# Altium PCB STB_ValidationBoard.PcbDoc (part 3 of 4) (continued)
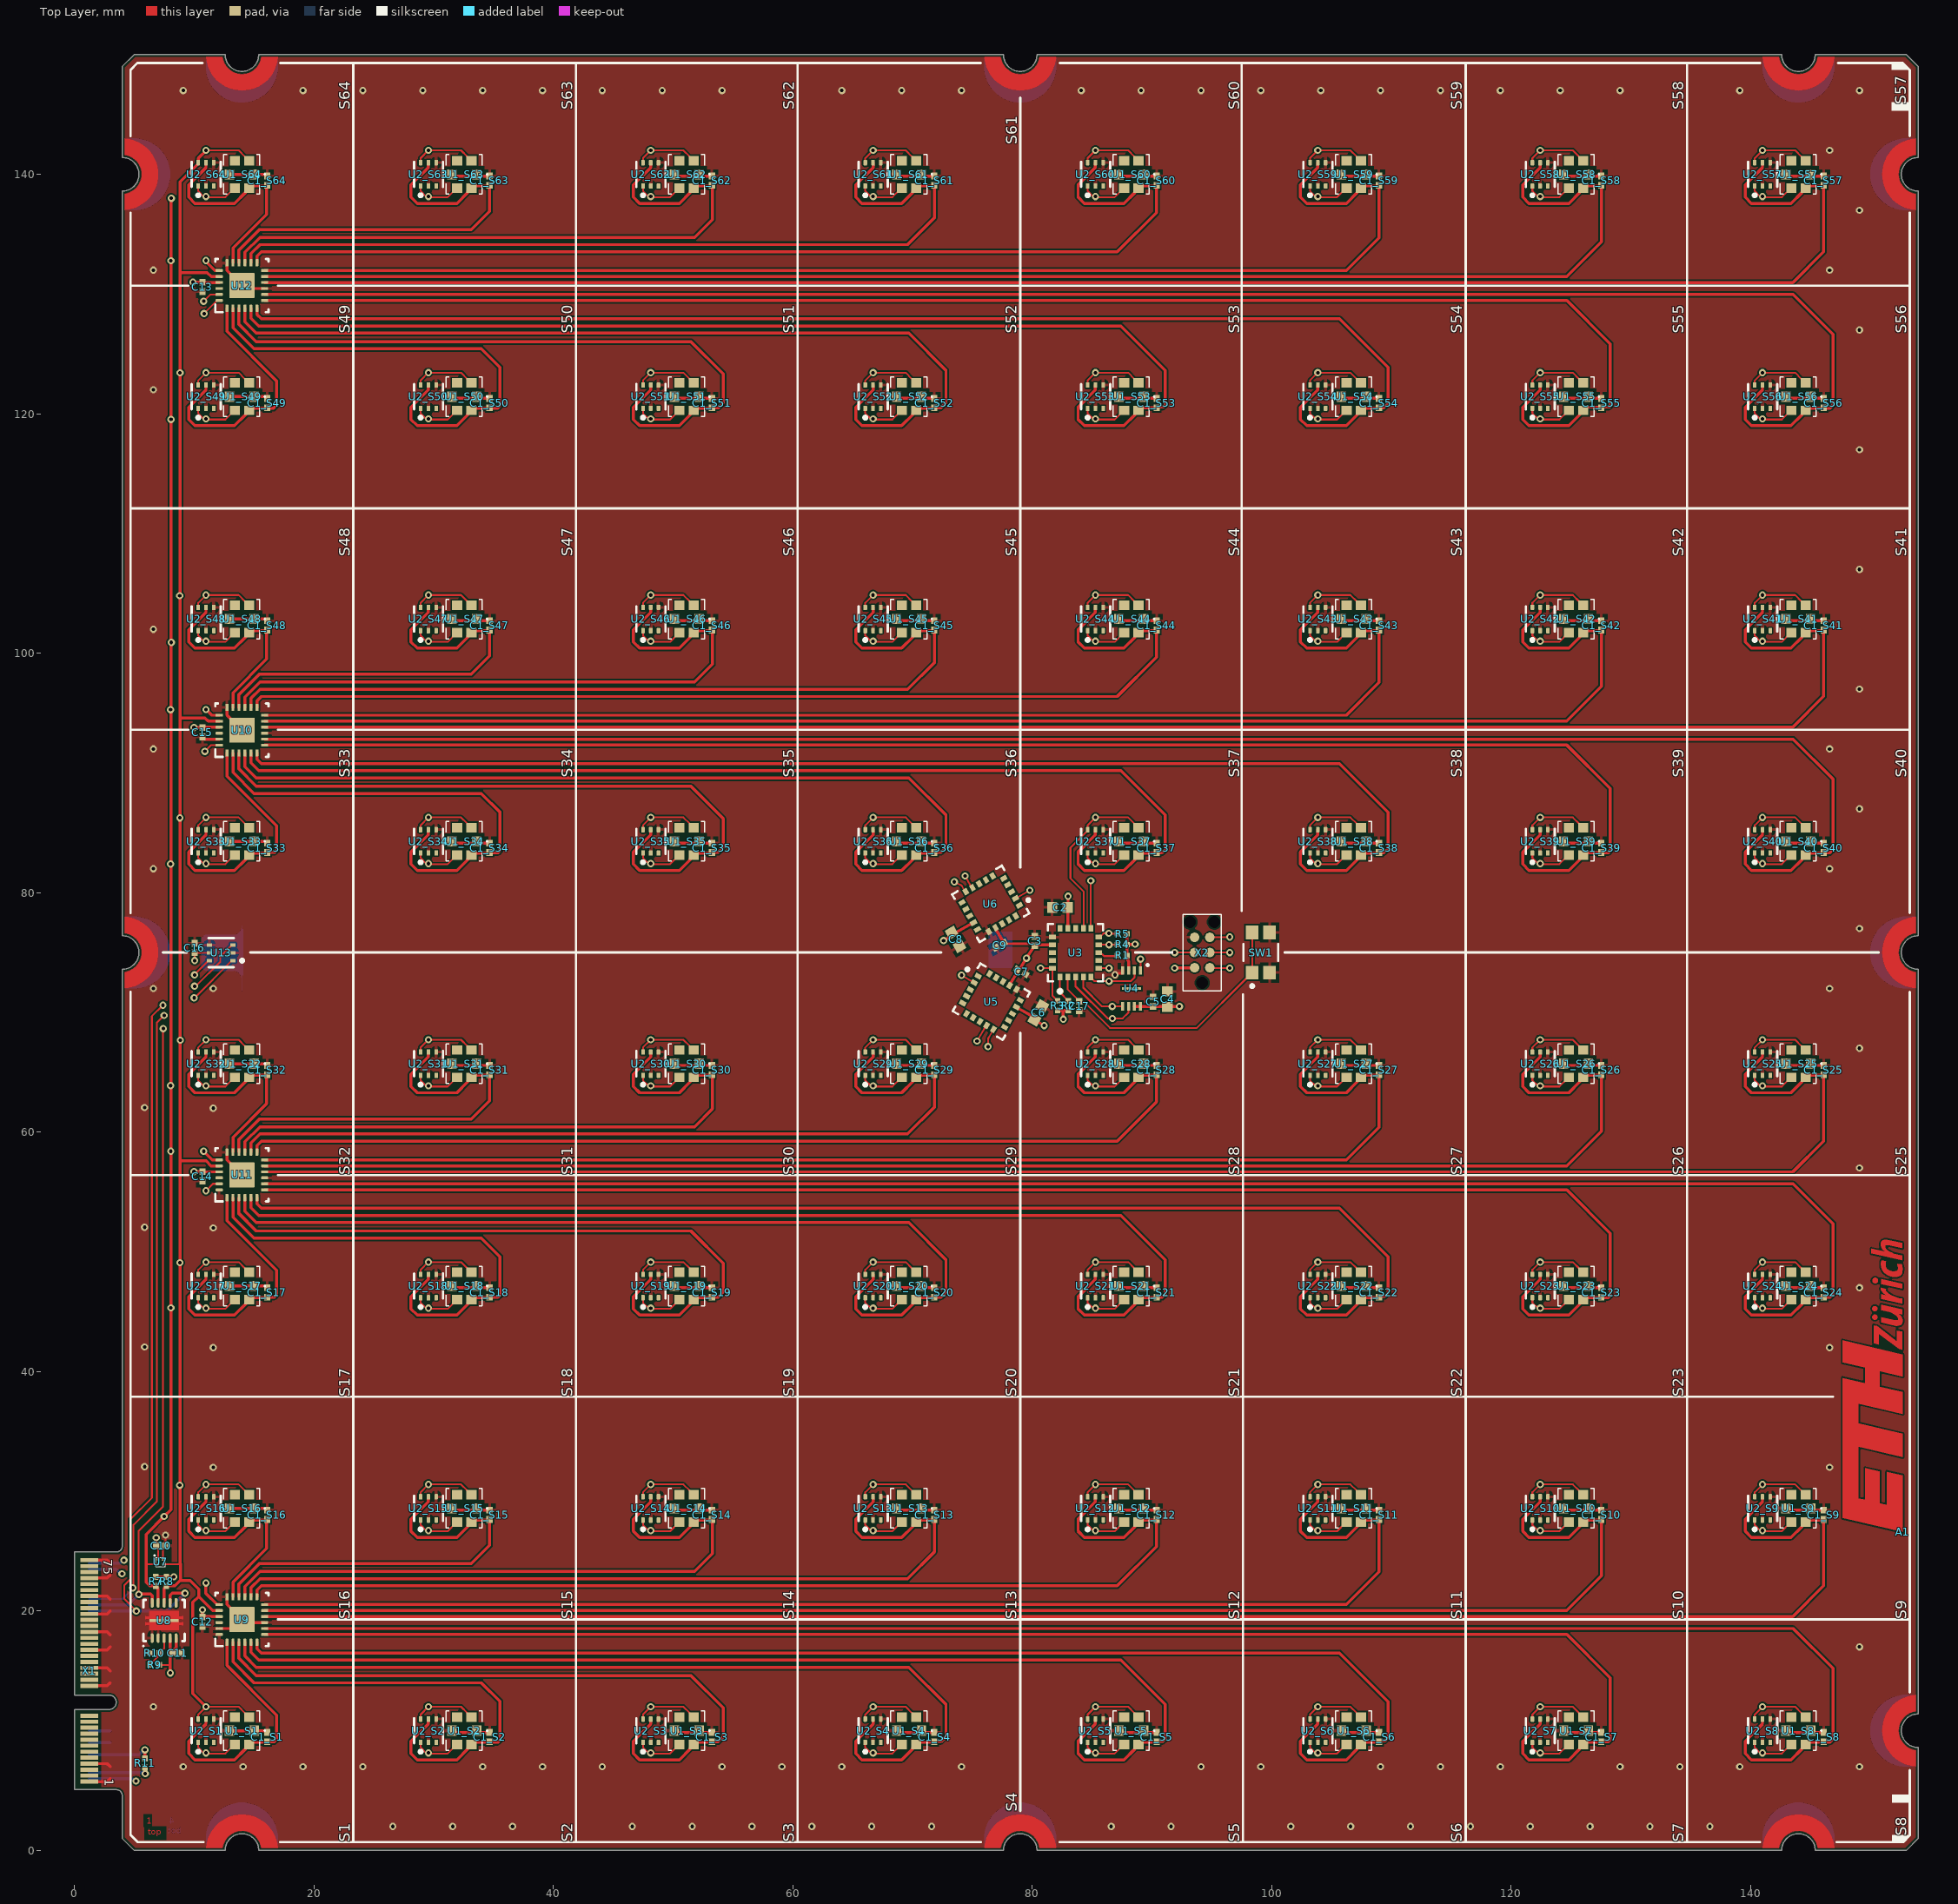
[diagram p0: Top Layer view]
## Nets (pads, with @x,y where several pads share a name; then routed paths per layer and width w, separated by ;. In a path a pad name is that pad's centre, name@x,y a point inside that pad or via, vN(x,y) a via of type N, cw(c..) or ccw(c..) an arc to the next point about the centre after c; other vN are vias at no path point) (continued)
VDD17: C1_S17.2 U1_S17.6 U2_S17.5 U11.1 | length 21.6
  Top Layer w0.25: U2_S17.5@10.996,48.113 10.996,47.696 9.548,46.249 9.548,45.237 10.073,44.712 13.386,44.712 14.3,45.625 14.3,45.728 14.57,45.998 U1_S17.6@14.6,45.998 14.771,46.169 16.06,46.169 C1_S17.2@16.11,46.219 16.7,46.219 16.893,46.413 16.893,48.449 12.75,52.593 U11.1@12.75,54.528
VDD18: C1_S18.2 U1_S18.6 U2_S18.5 U11.2 | length 40.4
  Top Layer w0.25: U11.2@13.25,54.528 13.25,52.893 15,51.143 34,51.143 35.553,49.59 35.553,46.37 35.382,46.199 C1_S18.2@34.687,46.199 ; U2_S18.5@29.567,48.113 29.567,47.696 28.12,46.249 28.12,45.237 28.645,44.712 31.958,44.712 32.871,45.625 32.871,45.728 33.141,45.998 U1_S18.6@33.171,45.998 33.343,46.169 34.631,46.169 C1_S18.2@34.681,46.219
VDD19: C1_S19.2 U1_S19.6 U2_S19.5 U11.3 | length 58
  Top Layer w0.25: U11.3@13.75,54.528 13.75,53.193 15.2,51.743 51.5,51.743 54.2,49.043 54.2,46.643 53.781,46.224 C1_S19.2@53.225,46.224 ; U2_S19.5@48.138,48.113 48.138,47.696 46.691,46.249 46.691,45.237 47.216,44.712 50.529,44.712 51.443,45.625 51.443,45.728 51.713,45.998 U1_S19.6@51.743,45.998 51.914,46.169 53.202,46.169 C1_S19.2@53.252,46.219
VDD20: C1_S20.2 U1_S20.6 U2_S20.5 U11.4 | length 76.2
  Top Layer w0.25: U11.4@14.25,54.528 14.25,53.393 15.2,52.443 69.7,52.443 72.8,49.343 72.8,46.643 72.369,46.212 C1_S20.2@71.817,46.212 ; U2_S20.5@66.71,48.113 66.71,47.696 65.263,46.249 65.263,45.237 65.787,44.712 69.101,44.712 70.014,45.625 70.014,45.728 70.284,45.998 U1_S20.6@70.314,45.998 70.486,46.169 71.774,46.169 C1_S20.2@71.817,46.212 ; C1_S20.2@71.796,46.212 C1_S20.2@71.817,46.212
VDD21: C1_S21.2 U1_S21.6 U2_S21.5 U11.5 | length 93.6
  Top Layer w0.25: U11.5@14.75,54.528 14.75,53.693 15.4,53.043 87.4,53.043 91.1,49.343 91.1,46.443 90.857,46.2 90.376,46.2 90.345,46.169 89.057,46.169 U1_S21.6@88.886,45.998 88.856,45.998 88.586,45.728 88.586,45.625 87.672,44.712 84.359,44.712 83.834,45.237 83.834,46.249 85.281,47.696 U2_S21.5@85.281,48.113
VDD22: C1_S22.2 U1_S22.6 U2_S22.5 U11.6 | length 111.7
  Top Layer w0.25: U11.6@15.25,54.528 15.255,54.523 15.255,54 15.612,53.643 105.672,53.643 109.739,49.575 109.739,46.565 109.455,46.28 109.028,46.28 C1_S22.2@108.933,46.186 ; U2_S22.5@103.853,48.113 103.853,47.696 102.405,46.249 102.405,45.237 102.93,44.712 106.243,44.712 107.157,45.625 107.157,45.728 107.427,45.998 U1_S22.6@107.457,45.998 107.628,46.169 C1_S22.2@108.917,46.169
VDD23: C1_S23.2 U1_S23.6 U2_S23.5 U11.7 | length 130.6
  Top Layer w0.25: U11.7@15.9,55.178 124.664,55.178 128.288,51.555 128.288,46.366 128.11,46.188 C1_S23.2@127.768,46.188 ; U2_S23.5@122.424,48.113 122.424,47.696 120.977,46.249 120.977,45.237 121.502,44.712 124.815,44.712 125.728,45.625 125.728,45.728 125.998,45.998 U1_S23.6@126.028,45.998 126.2,46.169 127.488,46.169 C1_S23.2@127.538,46.219
VDD24: C1_S24.2 U1_S24.6 U2_S24.5 U11.8 | length 150.1
  Top Layer w0.25: U11.8@15.9,55.678 143.564,55.678 146.9,52.343 146.9,46.459 146.639,46.198 C1_S24.2@146.139,46.198 ; U2_S24.5@140.995,48.113 140.995,47.696 139.548,46.249 139.548,45.237 140.073,44.712 143.386,44.712 144.3,45.625 144.3,45.728 144.57,45.998 U1_S24.6@144.6,45.998 144.771,46.169 146.059,46.169 C1_S24.2@146.109,46.219
VDD25: C1_S25.2 U1_S25.6 U2_S25.5 U11.10 | length 147.8
  Top Layer w0.25: U11.10@15.9,56.678 143.536,56.678 146.109,59.252 C1_S25.2@146.109,64.791 146.059,64.741 144.771,64.741 U1_S25.6@144.6,64.569 144.57,64.569 144.3,64.299 144.3,64.197 143.386,63.283 140.073,63.283 139.548,63.808 139.548,64.821 140.995,66.268 U2_S25.5@140.995,66.685
VDD26: C1_S26.2 U1_S26.6 U2_S26.5 U11.11 | length 128.5
  Top Layer w0.25: U11.11@15.9,57.178 124.636,57.178 127.538,60.081 C1_S26.2@127.538,64.791 127.488,64.741 126.2,64.741 U1_S26.6@126.028,64.569 125.998,64.569 125.728,64.299 125.728,64.197 124.815,63.283 121.502,63.283 120.977,63.808 120.977,64.821 122.424,66.268 U2_S26.5@122.424,66.685
VDD27: C1_S27.2 U1_S27.6 U2_S27.5 U11.12 | length 109.5
  Top Layer w0.25: U11.12@15.9,57.678 106.236,57.678 108.967,60.409 C1_S27.2@108.967,64.791 108.917,64.741 107.628,64.741 U1_S27.6@107.457,64.569 107.427,64.569 107.157,64.299 107.157,64.197 106.243,63.283 102.93,63.283 102.405,63.808 102.405,64.821 103.853,66.268 U2_S27.5@103.853,66.685
VDD28: C1_S28.2 U1_S28.6 U2_S28.5 U11.13 | length 90.4
  Top Layer w0.25: U11.13@15.25,58.328 15.25,58.875 15.617,59.243 87.1,59.243 90.38,62.523 C1_S28.2@90.38,64.776 ; U2_S28.5@85.281,66.685 85.281,66.268 83.834,64.821 83.834,63.808 84.359,63.283 87.672,63.283 88.586,64.197 88.586,64.299 88.856,64.569 U1_S28.6@88.886,64.569 89.057,64.741 90.345,64.741 C1_S28.2@90.395,64.791
VDD29: C1_S29.2 U1_S29.6 U2_S29.5 U11.14 | length 72.7
  Top Layer w0.25: U11.14@14.75,58.328 14.75,59.093 15.5,59.843 69.6,59.843 71.824,62.067 C1_S29.2@71.824,64.791 71.774,64.741 70.486,64.741 U1_S29.6@70.314,64.569 70.284,64.569 70.014,64.299 70.014,64.197 69.101,63.283 65.787,63.283 65.263,63.808 65.263,64.821 66.71,66.268 U2_S29.5@66.71,66.685
VDD30: C1_S30.2 U1_S30.6 U2_S30.5 U11.15 | length 54.8
  Top Layer w0.25: U11.15@14.25,58.328 14.25,59.193 15.5,60.443 51.8,60.443 53.3,61.943 C1_S30.2@53.3,64.743 ; U2_S30.5@48.138,66.685 48.138,66.268 46.691,64.821 46.691,63.808 47.216,63.283 50.529,63.283 51.443,64.197 51.443,64.299 51.713,64.569 U1_S30.6@51.743,64.569 51.914,64.741 53.202,64.741 C1_S30.2@53.252,64.791
VDD31: C1_S31.2 U1_S31.6 U2_S31.5 U11.16 | length 36.4
  Top Layer w0.25: U11.16@13.75,58.328 13.75,59.393 15.456,61.099 33.156,61.099 34.681,62.624 C1_S31.2@34.681,64.791 34.631,64.741 33.343,64.741 U1_S31.6@33.171,64.569 33.141,64.569 32.871,64.299 32.871,64.197 31.958,63.283 28.645,63.283 28.12,63.808 28.12,64.821 29.567,66.268 U2_S31.5@29.567,66.685
VDD32: C1_S32.2 U1_S32.6 U2_S32.5 U11.17 | length 18.5
  Top Layer w0.25: U2_S32.5@10.996,66.685 10.996,66.268 9.548,64.821 9.548,63.808 10.073,63.283 13.386,63.283 14.3,64.197 14.3,64.299 14.57,64.569 U1_S32.6@14.6,64.569 14.771,64.741 16.06,64.741 C1_S32.2@16.11,64.791 ; U11.17@13.25,58.328 13.25,59.561 16.069,62.38 C1_S32.2@16.069,64.75
VDD33: C1_S33.2 U1_S33.6 U2_S33.5 U10.1 | length 21.7
  Top Layer w0.25: U2_S33.5@10.996,85.256 10.996,84.839 9.548,83.392 9.548,82.379 10.073,81.855 13.386,81.855 14.3,82.768 14.3,82.871 14.57,83.141 U1_S33.6@14.6,83.141 14.771,83.312 16.06,83.312 C1_S33.2@16.105,83.357 ; U10.1@12.75,91.671 12.75,89.736 16.893,85.592 16.893,83.556 16.695,83.357 C1_S33.2@16.105,83.357 ; C1_S33.2@16.075,83.357 C1_S33.2@16.105,83.357
VDD34: C1_S34.2 U1_S34.6 U2_S34.5 U10.2 | length 40.2
  Top Layer w0.25: U10.2@13.25,91.671 13.25,90.036 15,88.286 34,88.286 35.553,86.732 35.553,83.513 35.389,83.348 C1_S34.2@34.808,83.348 ; U2_S34.5@29.567,85.256 29.567,84.839 28.12,83.392 28.12,82.379 28.645,81.855 31.958,81.855 32.871,82.768 32.871,82.871 33.141,83.141 U1_S34.6@33.171,83.141 33.343,83.312 C1_S34.2@34.631,83.312
VDD35: C1_S35.2 U1_S35.6 U2_S35.5 U10.3 | length 58
  Top Layer w0.25: U10.3@13.75,91.671 13.75,90.336 15.2,88.886 51.5,88.886 54.2,86.186 54.2,83.786 53.778,83.363 C1_S35.2@53.215,83.363 ; U2_S35.5@48.138,85.256 48.138,84.839 46.691,83.392 46.691,82.379 47.216,81.855 50.529,81.855 51.443,82.768 51.443,82.871 51.713,83.141 U1_S35.6@51.743,83.141 51.914,83.312 53.202,83.312 C1_S35.2@53.252,83.362
VDD36: C1_S36.2 U1_S36.6 U2_S36.5 U10.4 | length 76.2
  Top Layer w0.25: U10.4@14.25,91.671 14.25,90.536 15.2,89.586 69.7,89.586 72.8,86.486 72.8,83.786 72.376,83.362 C1_S36.2@71.824,83.362 ; U2_S36.5@66.71,85.256 66.71,84.839 65.263,83.392 65.263,82.379 65.787,81.855 69.101,81.855 70.014,82.768 70.014,82.871 70.284,83.141 U1_S36.6@70.314,83.141 70.486,83.312 71.774,83.312 C1_S36.2@71.824,83.362 ; C1_S36.2@71.741,83.362 C1_S36.2@71.824,83.362
VDD37: C1_S37.2 U1_S37.6 U2_S37.5 U10.5 | length 93.4
  Top Layer w0.25: U10.5@14.75,91.671 14.75,90.836 15.4,90.186 87.4,90.186 91.1,86.486 91.1,83.586 90.84,83.326 C1_S37.2@90.586,83.326 ; U2_S37.5@85.281,85.256 85.281,84.839 83.834,83.392 83.834,82.379 84.359,81.855 87.672,81.855 88.586,82.768 88.586,82.871 88.856,83.141 U1_S37.6@88.886,83.141 89.057,83.312 90.345,83.312 C1_S37.2@90.395,83.362
VDD38: C1_S38.2 U1_S38.6 U2_S38.5 U10.6 | length 111.5
  Top Layer w0.25: U10.6@15.25,91.671 15.255,91.666 15.255,91.143 15.612,90.786 105.672,90.786 109.739,86.718 109.739,83.707 109.357,83.326 C1_S38.2@109.162,83.326 ; U2_S38.5@103.853,85.256 103.853,84.839 102.405,83.392 102.405,82.379 102.93,81.855 106.243,81.855 107.157,82.768 107.157,82.871 107.427,83.141 U1_S38.6@107.457,83.141 107.628,83.312 108.917,83.312 C1_S38.2@108.967,83.362
VDD39: C1_S39.2 U1_S39.6 U2_S39.5 U10.7 | length 130.8
  Top Layer w0.25: U10.7@15.9,92.321 124.664,92.321 128.288,88.697 128.288,83.508 128.124,83.345 126.232,83.345 U1_S39.6@126.028,83.141 125.998,83.141 125.728,82.871 125.728,82.768 124.815,81.855 121.502,81.855 120.977,82.379 120.977,83.392 122.424,84.839 U2_S39.5@122.424,85.256
VDD40: C1_S40.2 U1_S40.6 U2_S40.5 U10.8 | length 149.9
  Top Layer w0.25: U10.8@15.9,92.821 143.564,92.821 146.9,89.486 146.9,83.602 146.621,83.322 C1_S40.2@146.271,83.322 ; U2_S40.5@140.995,85.256 140.995,84.839 139.548,83.392 139.548,82.379 140.073,81.855 143.386,81.855 144.3,82.768 144.3,82.871 144.57,83.141 U1_S40.6@144.6,83.141 144.771,83.312 146.059,83.312 C1_S40.2@146.109,83.362
VDD41: C1_S41.2 U1_S41.6 U2_S41.5 U10.10 | length 147.8
  Top Layer w0.25: U10.10@15.9,93.821 143.536,93.821 146.109,96.395 C1_S41.2@146.109,101.933 146.059,101.883 144.771,101.883 U1_S41.6@144.6,101.712 144.57,101.712 144.3,101.442 144.3,101.34 143.386,100.426 140.073,100.426 139.548,100.951 139.548,101.963 140.995,103.411 U2_S41.5@140.995,103.828
VDD42: C1_S42.2 U1_S42.6 U2_S42.5 U10.11 | length 128.5
  Top Layer w0.25: U10.11@15.9,94.321 124.636,94.321 127.538,97.224 C1_S42.2@127.538,101.933 127.488,101.883 126.2,101.883 U1_S42.6@126.028,101.712 125.998,101.712 125.728,101.442 125.728,101.34 124.815,100.426 121.502,100.426 120.977,100.951 120.977,101.963 122.424,103.411 U2_S42.5@122.424,103.828
VDD43: C1_S43.2 U1_S43.6 U2_S43.5 U10.12 | length 109.5
  Top Layer w0.25: U10.12@15.9,94.821 106.236,94.821 108.967,97.552 C1_S43.2@108.967,101.933 108.917,101.883 107.628,101.883 U1_S43.6@107.457,101.712 107.427,101.712 107.157,101.442 107.157,101.34 106.243,100.426 102.93,100.426 102.405,100.951 102.405,101.963 103.853,103.411 U2_S43.5@103.853,103.828
VDD44: C1_S44.2 U1_S44.6 U2_S44.5 U10.13 | length 90.4
  Top Layer w0.25: U10.13@15.25,95.471 15.25,96.018 15.617,96.386 87.1,96.386 90.38,99.666 C1_S44.2@90.38,101.919 ; U2_S44.5@85.281,103.828 85.281,103.411 83.834,101.963 83.834,100.951 84.359,100.426 87.672,100.426 88.586,101.34 88.586,101.442 88.856,101.712 U1_S44.6@88.886,101.712 89.057,101.883 90.345,101.883 C1_S44.2@90.395,101.933
VDD45: C1_S45.2 U1_S45.6 U2_S45.5 U10.14 | length 72.7
  Top Layer w0.25: U10.14@14.75,95.471 14.75,96.236 15.5,96.986 69.6,96.986 71.824,99.209 C1_S45.2@71.824,101.933 71.774,101.883 70.486,101.883 U1_S45.6@70.314,101.712 70.284,101.712 70.014,101.442 70.014,101.34 69.101,100.426 65.787,100.426 65.263,100.951 65.263,101.963 66.71,103.411 U2_S45.5@66.71,103.828
VDD46: C1_S46.2 U1_S46.6 U2_S46.5 U10.15 | length 54.8
  Top Layer w0.25: U10.15@14.25,95.471 14.25,96.336 15.5,97.586 51.8,97.586 53.3,99.086 C1_S46.2@53.3,101.886 ; U2_S46.5@48.138,103.828 48.138,103.411 46.691,101.963 46.691,100.951 47.216,100.426 50.529,100.426 51.443,101.34 51.443,101.442 51.713,101.712 U1_S46.6@51.743,101.712 51.914,101.883 53.202,101.883 C1_S46.2@53.252,101.933
VDD47: C1_S47.2 U1_S47.6 U2_S47.5 U10.16 | length 36.4
  Top Layer w0.25: U10.16@13.75,95.471 13.75,96.536 15.456,98.241 33.156,98.241 34.681,99.767 C1_S47.2@34.681,101.933 34.631,101.883 33.343,101.883 U1_S47.6@33.171,101.712 33.141,101.712 32.871,101.442 32.871,101.34 31.958,100.426 28.645,100.426 28.12,100.951 28.12,101.963 29.567,103.411 U2_S47.5@29.567,103.828
VDD48: C1_S48.2 U1_S48.6 U2_S48.5 U10.17 | length 18.5
  Top Layer w0.25: U2_S48.5@10.996,103.828 10.996,103.411 9.548,101.963 9.548,100.951 10.073,100.426 13.386,100.426 14.3,101.34 14.3,101.442 14.57,101.712 U1_S48.6@14.6,101.712 14.771,101.883 16.06,101.883 C1_S48.2@16.11,101.933 ; U10.17@13.25,95.471 13.25,96.704 16.069,99.522 C1_S48.2@16.069,101.892
VDD49: C1_S49.2 U1_S49.6 U2_S49.5 U12.1 | length 21.5
  Top Layer w0.25: U2_S49.5@10.996,122.399 10.996,121.982 9.548,120.535 9.548,119.522 10.073,118.997 13.386,118.997 14.3,119.911 14.3,120.013 14.57,120.283 U1_S49.6@14.6,120.283 14.771,120.455 16.06,120.455 C1_S49.2@16.11,120.505 ; U12.1@12.75,128.814 12.75,126.878 16.893,122.735 16.893,120.699 16.649,120.454 C1_S49.2@16.273,120.454
VDD50: C1_S50.2 U1_S50.6 U2_S50.5 U12.2 | length 40.3
  Top Layer w0.25: U12.2@13.25,128.814 13.25,127.178 15,125.428 34,125.428 35.553,123.875 35.553,120.656 35.372,120.475 C1_S50.2@34.822,120.475 ; U2_S50.5@29.567,122.399 29.567,121.982 28.12,120.535 28.12,119.522 28.645,118.997 31.958,118.997 32.871,119.911 32.871,120.013 33.141,120.283 U1_S50.6@33.171,120.283 33.343,120.455 34.631,120.455 C1_S50.2@34.681,120.505
VDD51: C1_S51.2 U1_S51.6 U2_S51.5 U12.3 | length 58
  Top Layer w0.25: U12.3@13.75,128.814 13.75,127.478 15.2,126.028 51.5,126.028 54.2,123.328 54.2,120.928 53.755,120.483 C1_S51.2@53.275,120.483 ; U2_S51.5@48.138,122.399 48.138,121.982 46.691,120.535 46.691,119.522 47.216,118.997 50.529,118.997 51.443,119.911 51.443,120.013 51.713,120.283 U1_S51.6@51.743,120.283 51.914,120.455 53.202,120.455 C1_S51.2@53.252,120.505
VDD52: C1_S52.2 U1_S52.6 U2_S52.5 U12.4 | length 75.9
  Top Layer w0.25: U12.4@14.25,128.814 14.25,127.678 15.2,126.728 69.7,126.728 72.8,123.628 72.8,120.928 72.354,120.483 C1_S52.2@72.038,120.483 ; U2_S52.5@66.71,122.399 66.71,121.982 65.263,120.535 65.263,119.522 65.787,118.997 69.101,118.997 70.014,119.911 70.014,120.013 70.284,120.283 U1_S52.6@70.314,120.283 70.486,120.455 71.774,120.455 C1_S52.2@71.824,120.505
VDD53: C1_S53.2 U1_S53.6 U2_S53.5 U12.5 | length 93.6
  Top Layer w0.25: U12.5@14.75,128.814 14.75,127.978 15.4,127.328 87.4,127.328 91.1,123.628 91.1,120.728 90.925,120.553 C1_S53.2@90.395,120.553 ; U2_S53.5@85.281,122.399 85.281,121.982 83.834,120.535 83.834,119.522 84.359,118.997 87.672,118.997 88.586,119.911 88.586,120.013 88.856,120.283 U1_S53.6@88.886,120.283 89.107,120.505 C1_S53.2@90.395,120.505
VDD54: C1_S54.2 U1_S54.6 U2_S54.5 U12.6 | length 111.5
  Top Layer w0.25: U12.6@15.25,128.814 15.255,128.809 15.255,128.286 15.612,127.928 105.672,127.928 109.739,123.861 109.739,120.85 109.376,120.487 C1_S54.2@109.204,120.487 ; U2_S54.5@103.853,122.399 103.853,121.982 102.405,120.535 102.405,119.522 102.93,118.997 106.243,118.997 107.157,119.911 107.157,120.013 107.427,120.283 U1_S54.6@107.457,120.283 107.628,120.455 108.917,120.455 C1_S54.2@108.967,120.505
VDD55: C1_S55.2 U1_S55.6 U2_S55.5 U12.7 | length 130.8
  Top Layer w0.25: U12.7@15.9,129.464 124.664,129.464 128.288,125.84 128.288,120.651 128.19,120.553 126.298,120.553 U1_S55.6@126.028,120.283 125.998,120.283 125.728,120.013 125.728,119.911 124.815,118.997 121.502,118.997 120.977,119.522 120.977,120.535 122.424,121.982 U2_S55.5@122.424,122.399
VDD56: C1_S56.2 U1_S56.6 U2_S56.5 U12.8 | length 150.1
  Top Layer w0.25: U12.8@15.9,129.964 143.564,129.964 146.9,126.628 146.9,120.744 146.632,120.476 146.138,120.476 C1_S56.2@146.109,120.505 146.059,120.455 144.771,120.455 U1_S56.6@144.6,120.283 144.57,120.283 144.3,120.013 144.3,119.911 143.386,118.997 140.073,118.997 139.548,119.522 139.548,120.535 140.995,121.982 U2_S56.5@140.995,122.399
VDD57: C1_S57.2 U1_S57.6 U2_S57.5 U12.10 | length 147.8
  Top Layer w0.25: U12.10@15.9,130.964 143.536,130.964 146.109,133.538 C1_S57.2@146.109,139.076 146.059,139.026 144.771,139.026 U1_S57.6@144.6,138.855 144.57,138.855 144.3,138.585 144.3,138.482 143.386,137.569 140.073,137.569 139.548,138.094 139.548,139.106 140.995,140.553 U2_S57.5@140.995,140.97
VDD58: C1_S58.2 U1_S58.6 U2_S58.5 U12.11 | length 128.5
  Top Layer w0.25: U12.11@15.9,131.464 124.636,131.464 127.538,134.366 C1_S58.2@127.538,139.076 127.488,139.026 126.2,139.026 U1_S58.6@126.028,138.855 125.998,138.855 125.728,138.585 125.728,138.482 124.815,137.569 121.502,137.569 120.977,138.094 120.977,139.106 122.424,140.553 U2_S58.5@122.424,140.97
VDD59: C1_S59.2 U1_S59.6 U2_S59.5 U12.12 | length 109.5
  Top Layer w0.25: U12.12@15.9,131.964 106.236,131.964 108.967,134.695 C1_S59.2@108.967,139.076 108.917,139.026 107.628,139.026 U1_S59.6@107.457,138.855 107.427,138.855 107.157,138.585 107.157,138.482 106.243,137.569 102.93,137.569 102.405,138.094 102.405,139.106 103.853,140.553 U2_S59.5@103.853,140.97
VDD60: C1_S60.2 U1_S60.6 U2_S60.5 U12.13 | length 90.4
  Top Layer w0.25: U12.13@15.25,132.614 15.25,133.161 15.617,133.528 87.1,133.528 90.38,136.809 C1_S60.2@90.38,139.062 ; U2_S60.5@85.281,140.97 85.281,140.553 83.834,139.106 83.834,138.094 84.359,137.569 87.672,137.569 88.586,138.482 88.586,138.585 88.856,138.855 U1_S60.6@88.886,138.855 89.057,139.026 90.345,139.026 C1_S60.2@90.395,139.076
VDD61: C1_S61.2 U1_S61.6 U2_S61.5 U12.14 | length 72.7
  Top Layer w0.25: U12.14@14.75,132.614 14.75,133.378 15.5,134.128 69.6,134.128 71.824,136.352 C1_S61.2@71.824,139.076 71.774,139.026 70.486,139.026 U1_S61.6@70.314,138.855 70.284,138.855 70.014,138.585 70.014,138.482 69.101,137.569 65.787,137.569 65.263,138.094 65.263,139.106 66.71,140.553 U2_S61.5@66.71,140.97
VDD62: C1_S62.2 U1_S62.6 U2_S62.5 U12.15 | length 54.8
  Top Layer w0.25: U12.15@14.25,132.614 14.25,133.478 15.5,134.728 51.8,134.728 53.3,136.228 C1_S62.2@53.3,139.029 ; U2_S62.5@48.138,140.97 48.138,140.553 46.691,139.106 46.691,138.094 47.216,137.569 50.529,137.569 51.443,138.482 51.443,138.585 51.713,138.855 U1_S62.6@51.743,138.855 51.914,139.026 53.202,139.026 C1_S62.2@53.252,139.076
VDD63: C1_S63.2 U1_S63.6 U2_S63.5 U12.16 | length 36.4
  Top Layer w0.25: U12.16@13.75,132.614 13.75,133.678 15.456,135.384 33.156,135.384 34.681,136.909 C1_S63.2@34.681,139.076 34.631,139.026 33.343,139.026 U1_S63.6@33.171,138.855 33.141,138.855 32.871,138.585 32.871,138.482 31.958,137.569 28.645,137.569 28.12,138.094 28.12,139.106 29.567,140.553 U2_S63.5@29.567,140.97
VDD64: C1_S64.2 U1_S64.6 U2_S64.5 U12.17 | length 18.5
  Top Layer w0.25: U2_S64.5@10.996,140.97 10.996,140.553 9.548,139.106 9.548,138.094 10.073,137.569 13.386,137.569 14.3,138.482 14.3,138.585 14.57,138.855 U1_S64.6@14.6,138.855 14.771,139.026 16.06,139.026 C1_S64.2@16.11,139.076 ; U12.17@13.25,132.614 13.25,133.847 16.069,136.665 C1_S64.2@16.069,139.035
pads on no net: U1_S1.3 U1_S2.3 U1_S3.3 U1_S4.3 U1_S5.3 U1_S6.3 U1_S7.3 U1_S8.3 U1_S9.3 U1_S10.3 U1_S11.3 U1_S12.3 U1_S13.3 U1_S14.3 U1_S15.3 U1_S16.3 U1_S17.3 U1_S18.3 U1_S19.3 U1_S20.3 U1_S21.3 U1_S22.3 U1_S23.3 U1_S24.3 U1_S25.3 U1_S26.3 U1_S27.3 U1_S28.3 U1_S29.3 U1_S30.3 U1_S31.3 U1_S32.3 U1_S33.3 U1_S34.3 U1_S35.3 U1_S36.3 U1_S37.3 U1_S38.3 U1_S39.3 U1_S40.3 U1_S41.3 U1_S42.3 U1_S43.3 U1_S44.3 U1_S45.3 U1_S46.3 U1_S47.3 U1_S48.3 U1_S49.3 U1_S50.3 U1_S51.3 U1_S52.3 U1_S53.3 U1_S54.3 U1_S55.3 U1_S56.3 U1_S57.3 U1_S58.3 U1_S59.3 U1_S60.3 U1_S61.3 U1_S62.3 U1_S63.3 U1_S64.3 U2_S1.3 U2_S2.3 U2_S3.3 U2_S4.3 U2_S5.3 U2_S6.3 U2_S7.3 U2_S8.3 U2_S9.3 U2_S10.3 U2_S11.3 U2_S12.3 U2_S13.3 U2_S14.3 U2_S15.3 U2_S16.3 U2_S17.3 U2_S18.3 U2_S19.3 U2_S20.3 U2_S21.3 U2_S22.3 U2_S23.3 U2_S24.3 U2_S25.3 U2_S26.3 U2_S27.3 U2_S28.3 U2_S29.3 U2_S30.3 U2_S31.3 U2_S32.3 U2_S33.3 U2_S34.3 U2_S35.3 U2_S36.3 U2_S37.3 U2_S38.3 U2_S39.3 U2_S40.3 U2_S41.3 U2_S42.3 U2_S43.3 U2_S44.3 U2_S45.3 U2_S46.3 U2_S47.3 U2_S48.3 U2_S49.3 U2_S50.3 U2_S51.3 U2_S52.3 U2_S53.3 U2_S54.3 U2_S55.3 U2_S56.3 U2_S57.3 U2_S58.3 U2_S59.3 U2_S60.3 U2_S61.3 U2_S62.3 U2_S63.3 U2_S64.3 U3.7 U3.15 U3.18 U3.19 U4.9 U5.1 U5.3 U5.4 U5.5 U5.6 U5.7 U5.8 U5.11 U5.12 U5.13 U5.15 U5.18 U5.19 U5.20 U6.1 U6.3 U6.4 U6.5 U6.6 U6.7 U6.8 U6.11 U6.12 U6.13 U6.15 U6.18 U6.19 U6.20 U8.6 U9.22 U10.22 U11.22 U12.22 X1.3 X1.5 X1.6 X1.8 X1.9 X1.11 X1.13 X1.15 X1.16 X1.17 X1.19 X1.20 X1.21 X1.23 X1.34 X1.35 X1.36 X1.37 X1.38 X1.40 X1.41 X1.42 X1.43 X1.44 X1.46 X1.47 X1.48 X1.49 X1.50 X1.52 X1.53 X1.54 X1.55 X1.56 X1.59 X1.61 X1.64 X1.65 X1.66 X1.67 X1.68 X1.70 X1.71 X1.73 X2.

## Polygon pours and split planes (outlines as drawn)
HeatSpreader on Bottom Layer "NONET_L-01_P-001" (solid, pour order 0): 14,10 144,10 144,140 14,140
GND on Bottom Layer "NONET_L-01_P-001" (solid, pour order 2): 0,0 0,150 154,150 154,0
GND on Top Layer "" (solid, remove dead copper, pour order 3): 0,0 0,150 154,150 154,0
GND on Int2 (GND) "" (solid, pour order 4): 0,0 0,150 154,150 154,0
3V3 on Int1 (Signal) "NONET_L-01_P-001" (solid, pour order 1): 0,0 0,150 154,150 154,0

## Other copper
Top Layer:
  region net GND: 153.79,7.007 cw(c154,10) 153.79,12.993 153.79,11.637 ccw(c154,10) 153.79,8.363
  region net GND: 141.007,0.21 cw(c144,0) 146.993,0.21 145.637,0.21 ccw(c144,0) 142.363,0.21
  region net GND: 76.007,0.21 cw(c79,0) 81.993,0.21 80.637,0.21 ccw(c79,0) 77.363,0.21
  region net GND: 11.007,0.21 cw(c14,0) 16.993,0.21 15.637,0.21 ccw(c14,0) 12.363,0.21
  region net GND: 4.21,77.993 cw(c4,75) 4.21,72.007 4.21,73.363 ccw(c4,75) 4.21,76.637
  region net GND: 4.21,142.993 cw(c4,140) 4.21,137.007 4.21,138.363 ccw(c4,140) 4.21,141.637
  region net GND: 16.993,149.79 cw(c14,150) 11.007,149.79 12.363,149.79 ccw(c14,150) 15.637,149.79
  region net GND: 81.993,149.79 cw(c79,150) 76.007,149.79 77.363,149.79 ccw(c79,150) 80.637,149.79
  region net GND: 146.993,149.79 cw(c144,150) 141.007,149.79 142.363,149.79 ccw(c144,150) 145.637,149.79
  region net GND: 153.79,137.007 cw(c154,140) 153.79,142.993 153.79,141.637 ccw(c154,140) 153.79,138.363
  region net GND: 153.79,72.007 cw(c154,75) 153.79,77.993 153.79,76.637 ccw(c154,75) 153.79,73.363
  pour cut-out: 7.051,24.925 6.974,23.918 8.16,24.072 8.16,24.925
  pour cut-out: 2.281,4.997 2.281,25 -0.026,25 -0.05,24.975 -0.05,5.025
  text "1" at 6.049,2.24 h0.5
  text "top" at 6.15,1.317 h0.5
Int1 (Signal):
  text "2" at 6.614,2.24 h0.5
Int2 (GND):
  text "3" at 7.357,2.24 h0.5
Bottom Layer:
  rectangle net HeatSpreader: 76.374,73.7 78.349,76.75
  rectangle net HeatSpreader: 13.962,73.092 14.103,76.953
  region net HeatSpreader: 14,71.778 14,72.72 ccw(c13.211,72.72) 13.769,73.278 ccw(c13.307,72.816) 13.307,73.469 11.07,73.469 cw(c11.084,73.928) 10.749,73.614 10.691,73.672 cw(c10.966,73.889) 10.618,73.932 10.618,74.978 14,74.978
  region net HeatSpreader: 14,77.236 cw(c13.212,77.236) 13.769,76.678 cw(c13.307,77.14) 13.307,76.487 11.07,76.487 ccw(c11.084,76.028) 10.749,76.342 10.691,76.284 ccw(c10.966,76.067) 10.618,76.024 10.618,74.978 14,74.978
  region net GND: 153,7 cw(c153,10) 153,13 153.79,13 153.79,11.637 ccw(c154,10) 153.79,8.363 153.79,7
  region net GND: 141,1 cw(c144,1) 147,1 147,0.21 145.637,0.21 ccw(c144,0) 142.363,0.21 141,0.21
  region net GND: 76,1 cw(c79,1) 82,1 82,0.21 80.637,0.21 ccw(c79,0) 77.363,0.21 76,0.21
  region net GND: 11,1 cw(c14,1) 17,1 17,0.21 15.637,0.21 ccw(c14,0) 12.363,0.21 11,0.21
  region net GND: 5,78 cw(c5,75) 5,72 4.21,72 4.21,73.363 ccw(c4,75) 4.21,76.637 4.21,78
  region net GND: 5,143 cw(c5,140) 5,137 4.21,137 4.21,138.363 ccw(c4,140) 4.21,141.637 4.21,143
  region net GND: 17,149 cw(c14,149) 11,149 11,149.79 12.363,149.79 ccw(c14,150) 15.637,149.79 17,149.79
  region net GND: 82,149 cw(c79,149) 76,149 76,149.79 77.363,149.79 ccw(c79,150) 80.637,149.79 82,149.79
  region net GND: 147,149 cw(c144,149) 141,149 141,149.79 142.363,149.79 ccw(c144,150) 145.637,149.79 147,149.79
  region net GND: 153,137 cw(c153,140) 153,143 153.79,143 153.79,141.637 ccw(c154,140) 153.79,138.363 153.79,137
  region net GND: 153,72 cw(c153,75) 153,78 153.79,78 153.79,76.637 ccw(c154,75) 153.79,73.363 153.79,72
  pour cut-out: 2.281,4.997 2.281,25 -0.026,25 -0.05,24.975 -0.05,5.025
  text "4" at 8.36,2.24 h0.5
  text "bot" at 8.946,1.408 h0.5

## Silkscreen, mask and mechanical layers (free items; w line width, h text height)
Top Overlay:
  rectangle: 151.777,145.322 153.264,146.019
  rectangle: 151.812,3.981 153.3,4.678
  region: 153.264,148.736 152.7,149.3 151.779,149.3 151.779,148.736
  region: 153.3,1.264 152.736,0.7 151.815,0.7 151.815,1.264
  lines w0.2: 4.7,37.9 146.9,37.9 ; 4.7,56.4 9.5,56.4 ; 4.7,71.698 4.7,13.2 4.7,1.3 5.3,0.7 10.8,0.7 ; 4.7,78.303 4.7,136.8 ; 4.7,93.6 9.5,93.6 ; 4.7,112.1 153.3,112.1 ; 4.7,130.7 9.5,130.7 ; 4.703,143.2 4.703,148.738 5.262,149.297 10.7,149.297 ; 7.399,75 9.4,75 ; 14.7,75 72.4,75 ; 17,19.3 153.3,19.3 ; 17,56.4 153.3,56.4 ; 17,93.6 153.3,93.6 ; 17,130.7 153.3,130.7 ; 17.2,0.7 75.698,0.7 ; 17.2,149.3 75.698,149.3 ; 23.3,0.7 23.3,149.3 ; 41.9,0.7 41.9,149.3 ; 60.4,0.7 60.4,149.3 ; 79,3.3 79,68.3 ; 79,82.1 79,146.4 ; 82.302,0.7 140.8,0.7 ; 82.303,149.3 140.8,149.3 ; 88.6,75 91.7,75 ; 97.5,78.5 97.5,149.3 ; 97.6,0.7 97.6,71.5 ; 101.1,75 150.7,75 ; 116.2,0.7 116.2,149.3 ; 134.7,0.7 134.7,149.3 ; 147.203,0.7 152.736,0.7 153.3,1.264 153.3,6.697 ; 147.303,149.3 152.7,149.3 153.3,148.7 153.3,143.203 ; 153.3,13.2 153.3,71.698 ; 153.3,78.303 153.3,136.8
  text "S57" at 153.278,145.84 h1.52 r90
  text "S64" at 23.3,145.4 h1.52 r90
  text "S63" at 41.9,145.4 h1.52 r90
  text "S62" at 60.4,145.4 h1.52 r90
  text "S60" at 97.6,145.4 h1.52 r90
  text "S59" at 116.2,145.4 h1.52 r90
  text "S58" at 134.7,145.4 h1.52 r90
  text "S61" at 79.016,142.491 h1.52 r90
  text "S49" at 23.3,126.7 h1.52 r90
  text "S50" at 41.9,126.7 h1.52 r90
  text "S51" at 60.4,126.7 h1.52 r90
  text "S52" at 79,126.7 h1.52 r90
  text "S53" at 97.6,126.7 h1.52 r90
  text "S54" at 116.2,126.7 h1.52 r90
  text "S55" at 134.7,126.7 h1.52 r90
  text "S56" at 153.3,126.7 h1.52 r90
  text "S48" at 23.3,108.1 h1.52 r90
  text "S47" at 41.9,108.1 h1.52 r90
  text "S46" at 60.4,108.1 h1.52 r90
  text "S45" at 79,108.1 h1.52 r90
  text "S44" at 97.6,108.1 h1.52 r90
  text "S43" at 116.2,108.1 h1.52 r90
  text "S42" at 134.7,108.1 h1.52 r90
  text "S41" at 153.3,108.1 h1.52 r90
  text "S33" at 23.3,89.6 h1.52 r90
  text "S34" at 41.9,89.6 h1.52 r90
  text "S35" at 60.4,89.6 h1.52 r90
  text "S36" at 79,89.6 h1.52 r90
  text "S37" at 97.6,89.6 h1.52 r90
  text "S38" at 116.2,89.6 h1.52 r90
  text "S39" at 134.7,89.6 h1.52 r90
  text "S40" at 153.3,89.6 h1.52 r90
  text "S32" at 23.3,56.4 h1.52 r90
  text "S31" at 41.9,56.4 h1.52 r90
  text "S30" at 60.4,56.4 h1.52 r90
  text "S29" at 79,56.4 h1.52 r90
  text "S28" at 97.6,56.4 h1.52 r90
  text "S27" at 116.2,56.4 h1.52 r90
  text "S26" at 134.7,56.4 h1.52 r90
  text "S25" at 153.3,56.4 h1.52 r90
  text "S17" at 23.3,37.9 h1.52 r90
  text "S18" at 41.9,37.9 h1.52 r90
  text "S19" at 60.4,37.9 h1.52 r90
  text "S20" at 79,37.9 h1.52 r90
  text "S21" at 97.6,37.9 h1.52 r90
  text "S22" at 116.2,37.9 h1.52 r90
  text "S23" at 134.7,37.9 h1.52 r90
  text "S16" at 23.3,19.3 h1.52 r90
  text "S15" at 41.9,19.3 h1.52 r90
  text "S14" at 60.4,19.3 h1.52 r90
  text "S13" at 79,19.3 h1.52 r90
  text "S12" at 97.6,19.3 h1.52 r90
  text "S11" at 116.2,19.3 h1.52 r90
  text "S10" at 134.7,19.3 h1.52 r90
  text "S9" at 153.3,19.3 h1.52 r90
  text "S4" at 79.026,3.237 h1.52 r90
  text "S8" at 153.314,1.217 h1.52 r90
  text "S1" at 23.3,0.7 h1.52 r90
  text "S2" at 41.9,0.7 h1.52 r90
  text "S3" at 60.4,0.7 h1.52 r90
  text "S5" at 97.6,0.7 h1.52 r90
  text "S6" at 116.2,0.7 h1.52 r90
  text "S7" at 134.7,0.7 h1.52 r90
Bottom Overlay:
  text "STB Validation Board / V1.0 - A / 2022" at 153.051,53.025 h1.52 r90
Top Solder:
  region: 154,7 cw(c154,10) 154,13
  region: 141,0 cw(c144,0) 147,0
  region: 76,0 cw(c79,0) 82,0
  region: 11,0 cw(c14,0) 17,0
  region: 4,78 cw(c4,75) 4,72
  region: 4,143 cw(c4,140) 4,137
  region: 17,150 cw(c14,150) 11,150
  region: 82,150 cw(c79,150) 76,150
  region: 147,150 cw(c144,150) 141,150
  region: 154,137 cw(c154,140) 154,143
  region: 154,72 cw(c154,75) 154,78
Bottom Solder:
  region: 153,7 cw(c153,10) 153,13 154,13 154,7
  region: 141,1 cw(c144,1) 147,1 147,0 141,0
  region: 76,1 cw(c79,1) 82,1 82,0 76,0
  region: 11,1 cw(c14,1) 17,1 17,0 11,0
  region: 5,78 cw(c5,75) 5,72 4,72 4,78
  region: 5,143 cw(c5,140) 5,137 4,137 4,143
  region: 17,149 cw(c14,149) 11,149 11,150 17,150
  region: 82,149 cw(c79,149) 76,149 76,150 82,150
  region: 147,149 cw(c144,149) 141,149 141,150 147,150
  region: 153,137 cw(c153,140) 153,143 154,143 154,137
  region: 153,72 cw(c153,75) 153,78 154,78 154,72
Mechanical 4:
  the board outline again, w0
Mechanical 6:
  drawing of 157 lines, arcs and shapes, not listed

## Dimensions
0,0 to 3.5,12.375 on Mechanical 6